# KiCad board oresat-live-card.kicad_pcb (continued)
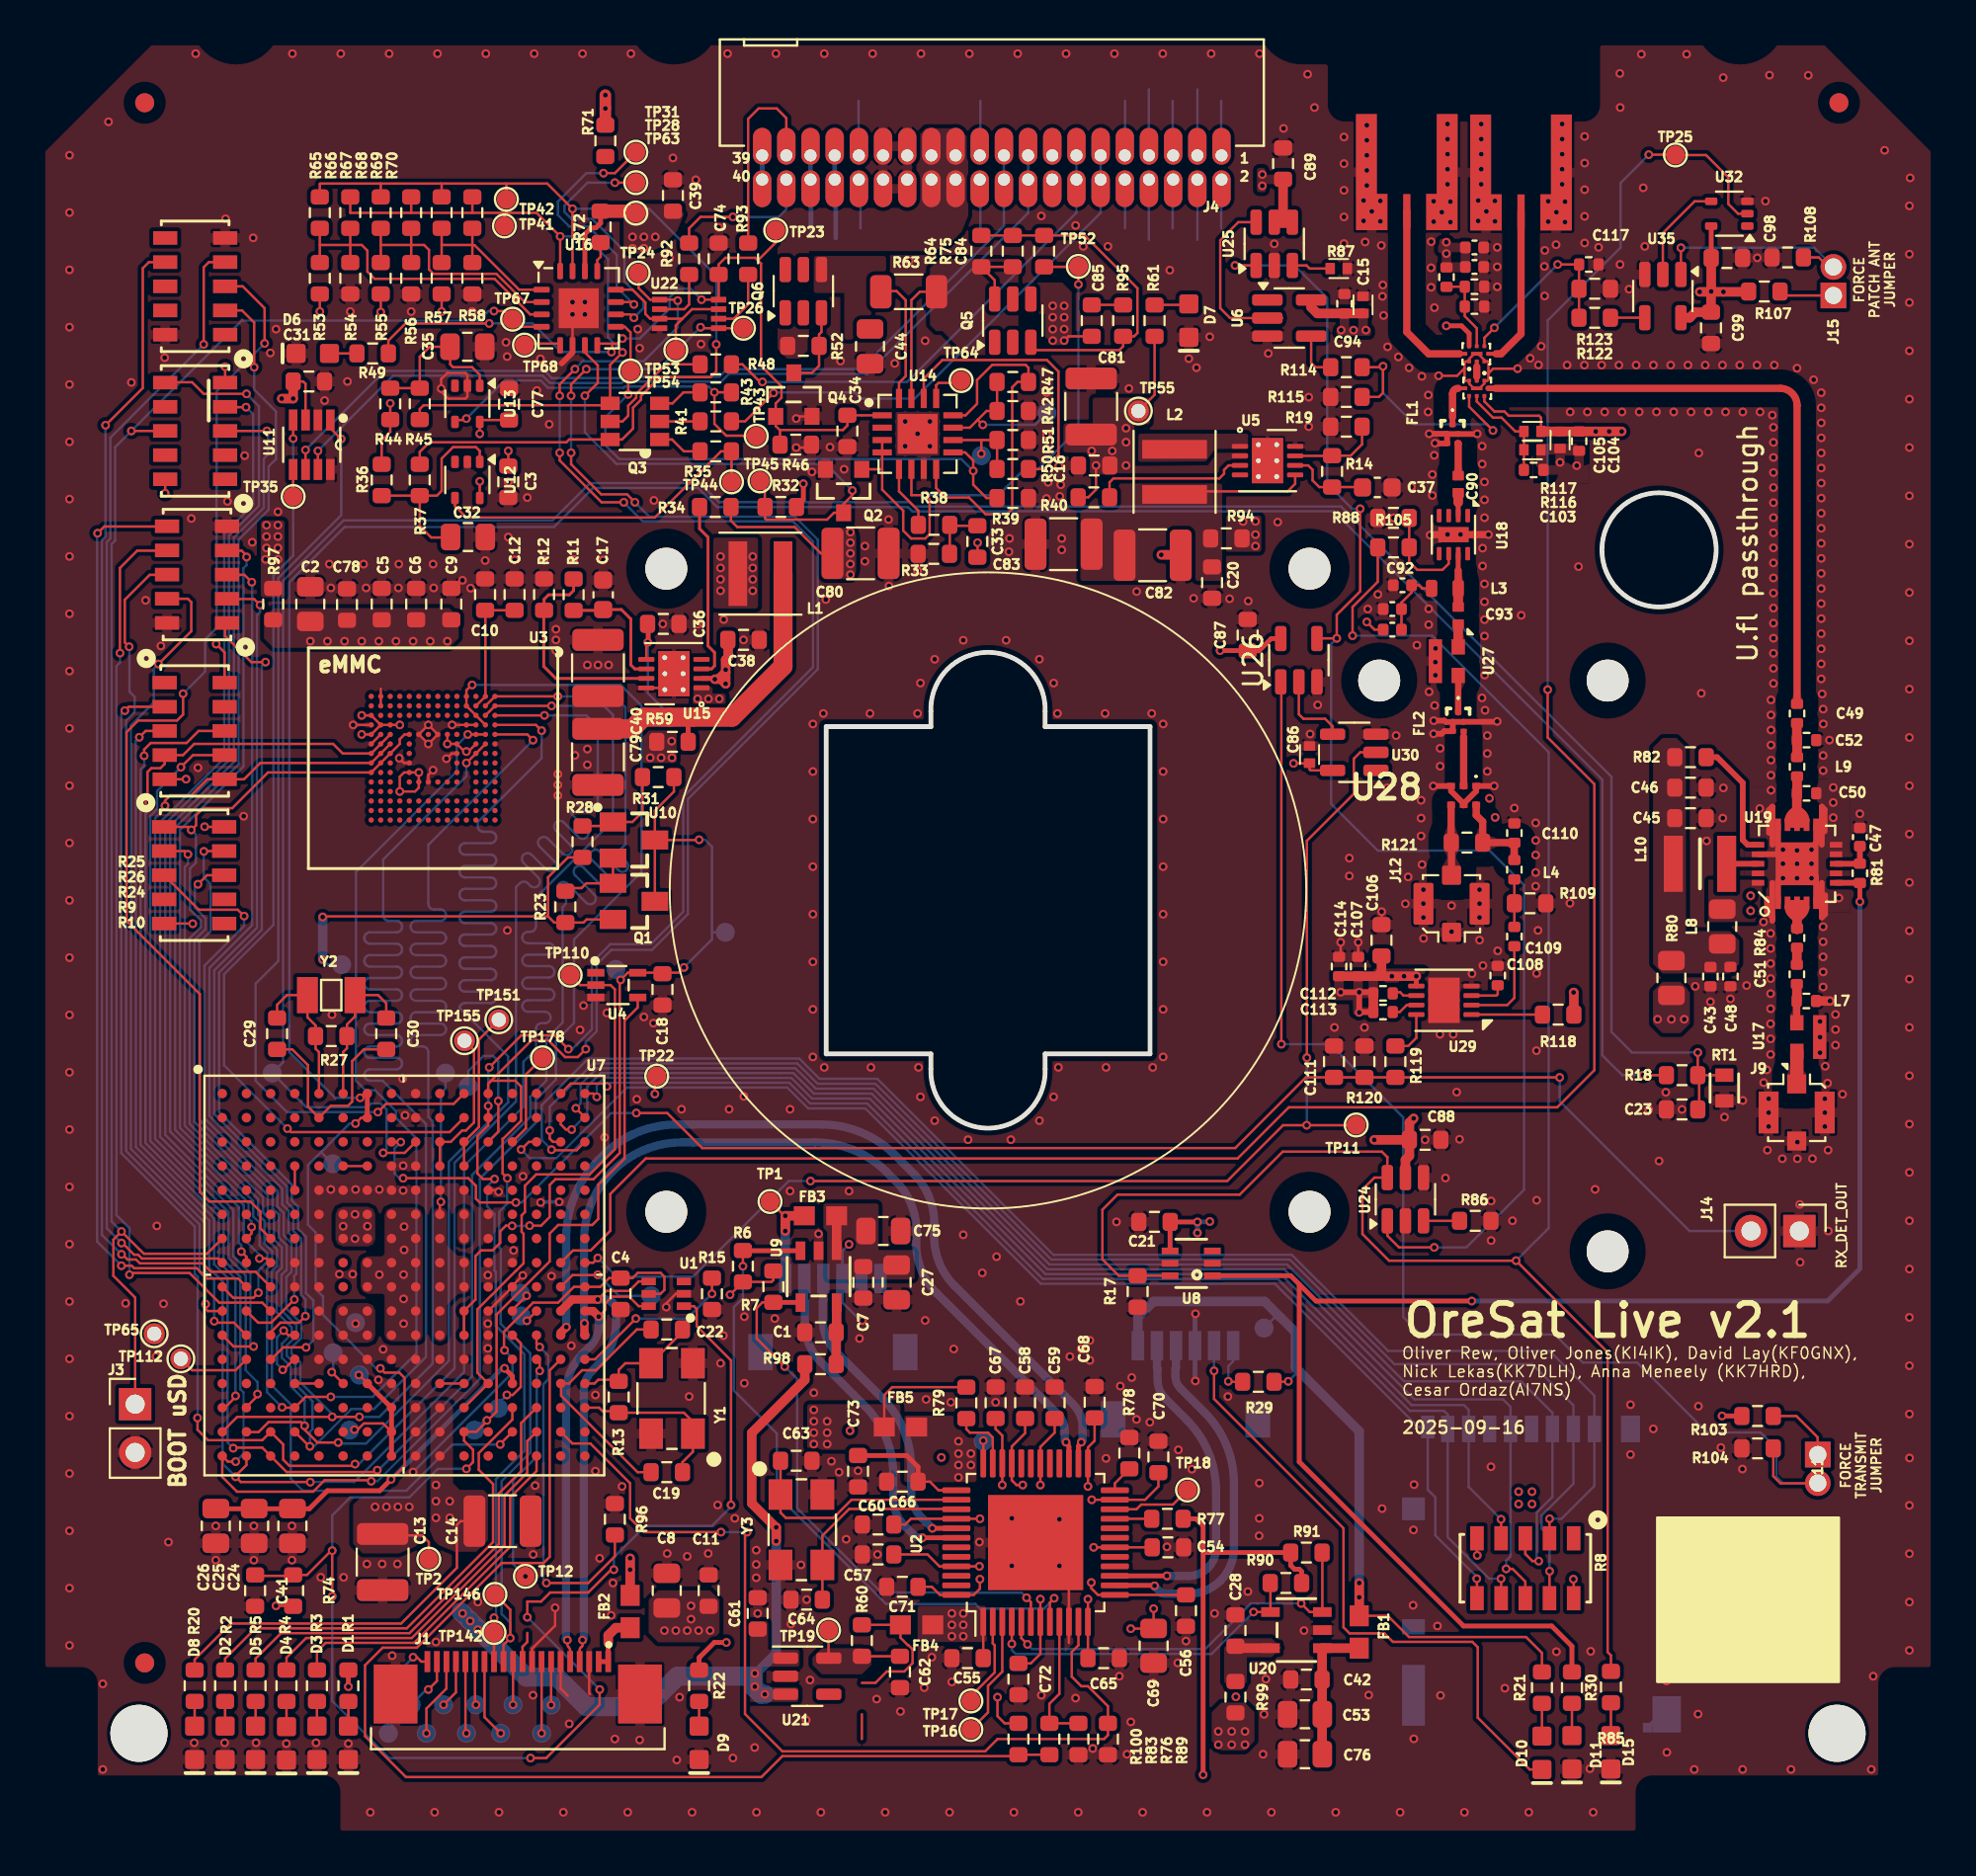
[diagram p0: board, top side]
## Routing (per net, layer and track width the routed paths; a pad name or vN(x,y) marks a point on that pad's centre or on a via; arc(x,y) is an arc through that point) (continued)
  Top w0.3: 93.1,50.8 93.4,50.5 U19.5 ; FL2.2 FL2.3 73.86,58.17 73.73,58.03 v1(73.31,58.03) ; FL2.2 74.3,58.65 73.95,58.65 73.88,58.72 v1(73.32,58.72) ; FL2.2 74.32,58.66 74.88,58.66 FL2.5 76.63,58.66 v1(76.65,58.68) ; v1(73.38,73.31) 73.58,73.31 73.59,73.29 FL1.3 FL1.2 ; 90.85,49.35 90.82,49.33 90.82,48.68 91.1,48.4 91.1,48.28 ; 74.89,54.3 74.89,54.36 74.23,55.02 U28.3 73.29,55.29 v1(73.29,55.29) ; v1(73.07,73.8) 74,73.8 FL1.2 ; 91.11,52.2 91.11,54.2 91.1,54.2 90.92,54.03 90.92,52.83 ; 91.1,48.28 91.1,48.2 ; 91.1,48.28 91.1,50.2 ; 91.6,50.5 91.4,50.3 U19.1 ; FL1.2 FL1.5 75.59,73.79 v1(75.6,73.8) ; 91.6,51.7 91.4,51.9 U19.15 ; U19.17 91.8,51.7 92.1,51.4 ; v1(76.49,55.29) 76.49,55.29 U28.1 75.55,55.02 74.89,54.36 74.89,54.26 ; U19.11 93.4,52.3 93.1,52 ; 28.07,78.07 27.5,77.5 ; 93.87,49.55 93.87,48.55 93.7,48.38 93.7,50.2 ; 93.85,52.9 93.85,54.05 93.7,54.2 93.7,54.2 93.7,52.2
  Top w0.38: v1(76.19,68.5) U18.9 73.15,68.5 v1(73.12,68.47)
  Top w0.5: C82.2 60,67.44 v1(59,67.44) ; L7.1 v1(94.13,43.99)
  In2.Cu w0.127: v1(28.07,80.07) v1(28.72,80.07) ; v1(28.07,80.07) v1(28.07,80.72) ; v1(28.07,80.07) v1(28.72,80.72) ; v1(28.72,80.07) v1(28.72,80.72) ; v1(28.72,80.07) v1(28.07,80.72) ; v1(28.72,80.72) v1(28.07,80.72)
  Bottom w0.127: v1(43.3,27.2) 43.2,27.2 42.25,28.15 J10.3 42.25,30.85 v1(42.6,31.2)
  Bottom w0.2: v1(26.4,33.4) 26.43,33.43 v1(27.38,33.43)
  Bottom w0.25: v1(60.8,27.55) 60.78,27.52 60.78,24.09 60.79,24.08 v1(60.79,24.02)
  vias: v1(1.65,88.44) v1(1.65,85.43) v1(1.65,82.42) v1(1.65,79.4) v1(1.65,76.39) v1(1.65,73.38) v1(1.65,70.37) v1(1.65,67.35) v1(1.65,64.34) v1(1.65,61.33) v1(1.65,58.32) v1(1.65,55.3) v1(1.65,52.29) v1(1.65,49.28) v1(1.65,46.27) v1(1.65,43.26) v1(1.65,40.24) v1(1.65,37.23) v1(1.65,34.22) v1(1.65,31.21) v1(1.65,28.19) v1(1.65,25.18) v1(1.65,22.17) v1(1.65,19.16) v1(1.65,16.14) v1(1.65,13.13) v1(1.65,10.12) v1(3.4,8.1) v1(3.4,3.6) v1(3.7,90.2) v1(4.6,28.1) v1(4.9,76.5) v1(5.65,65.05) v1(6.24,32.17) v1(6.2,25.3) v1(6.45,62.65) v1(6.65,77.8) v1(6.59,28.08) v1(6.85,15.55) v1(8.05,69.35) v1(8.2,5) v1(8.28,93.78) v1(8.4,56.25) v1(9.33,16.4) v1(9.33,14.6) v1(9.85,85.1) v1(9.8,5) v1(9.95,70.25) v1(10.85,72.65) v1(10.8,53.7) v1(11.3,84.1) v1(11.25,68.1) v1(11.33,16.4) v1(11.33,14.6) v1(11.45,5) v1(12.2,78.05) v1(12.5,79.3) v1(12.6,69.7) v1(13.04,4.96) v1(13.33,16.4) v1(13.33,14.6) v1(13.36,93.78) v1(14.6,5) v1(14.85,13.7) v1(15.05,75.55) v1(15.3,66.95) v1(15.38,65.7) v1(15.44,43.27) v1(15.38,34.08) v1(15.83,29.63) v1(15.9,93.78) v1(16.05,13.7) v1(16.25,76.55) v1(16.3,4.96) v1(16.4,80.22) v1(16.53,29.63) v1(16.68,34.08) v1(17.1,66.95) v1(17.23,65.7) v1(17.27,14.4) v1(17.45,1.35) v1(17.93,34.08) v1(17.88,24.08) v1(18.13,25.68) v1(18.07,14.4) v1(18.44,93.78) v1(18.6,9.58) v1(18.95,66.95) v1(18.93,65.7) v1(18.88,14.4) v1(19.15,39.91) v1(19.18,35.33) v1(19.18,34.03) v1(19.28,37.98) v1(19.6,80.22) v1(20.75,66.95) v1(20.78,65.7) v1(20.83,1.35) v1(20.9,10.3) v1(20.98,93.78) v1(22.29,66.1) v1(22.72,65.69) v1(22.8,80.22) v1(23.1,12.4) v1(23.52,93.78) v1(23.49,67.14) v1(23.63,29.58) v1(23.63,27.03) v1(23.63,25.73) v1(24.21,1.35) v1(24.58,78.61) v1(24.64,77.86) v1(24.65,47.7) v1(24.7,71.27) v1(24.7,68.37) v1(25.04,67.17) v1(24.98,30.88) v1(25.47,34.77) v1(25.7,70.45) v1(26.01,14.9) v1(26,7.5) v1(26.06,93.78) v1(26.11,18.52) v1(26.2,76.07) v1(26.39,77.74) v1(26.59,67.17) v1(26.85,74.3) v1(26.97,29.53) v1(27.2,63.53) v1(27.2,62.97) v1(27.2,62.41) v1(27.3,55.91) v1(27.3,55.35) v1(27.3,54.79) v1(27.59,1.35) v1(27.9,6) v1(28.01,25.87) v1(28.13,67.19) v1(28.2,56.9) v1(28.47,42.47) v1(28.6,93.78) v1(28.65,43.75) v1(28.85,61.65) v1(28.85,57.23) v1(28.85,56.4) v1(29.28,23.28) v1(29.28,19.28) v1(29.41,61.65) v1(29.5,14.7) v1(29.68,67.17) v1(29.76,36.82) v1(29.88,43.36) v1(29.97,61.65) v1(30.1,11.7) v1(30.2,13.4) v1(30.3,5.2) v1(30.68,18.48) v1(30.97,1.35) v1(31.14,93.78) v1(31.45,38.82) v1(31.5,79.3) v1(31.6,78.3) v1(31.6,5.15) v1(31.7,16.9) v1(31.82,43.15) v1(32.32,42.82) v1(32.35,70.3) v1(32.82,63.81) v1(33.05,14.95) v1(33.17,83.04) v1(33.35,88.3) v1(33.55,4.1) v1(33.7,7.4) v1(33.8,38.3) v1(34.1,14.8) v1(34.2,23.2) v1(34.36,1.35) v1(34.55,87.15) v1(34.65,63.8) v1(34.82,78.51) v1(35.2,14.95) v1(35.7,17.5) v1(35.75,84.65) v1(35.85,24.95) v1(36.02,64.04) v1(36,26.4) v1(36.22,93.78) v1(36.3,38.3) v1(36.5,4.2) v1(36.6,16.8) v1(37.06,62.97) v1(37.07,38.97) v1(37.1,27.4) v1(37.1,23.9) v1(37.64,4.75) v1(37.72,15.12) v1(37.72,14.38) v1(37.72,13.67) v1(37.74,1.35) v1(37.8,11.8) v1(38.7,27.3) v1(38.76,93.78) v1(39.5,38.3) v1(39.5,34) v1(39.55,11.25) v1(39.83,74.6) v1(40.07,14.35) v1(40.38,12.52) v1(40.35,6.2) v1(40.55,8.3) v1(40.65,71.8) v1(40.7,58.55) v1(40.7,56.05) v1(40.7,53.55) v1(40.7,51.05) v1(40.7,48.55) v1(40.7,46.05) v1(40.7,43.55) v1(40.7,41.05) v1(40.75,23.4) v1(41,31.75) v1(41.12,1.35) v1(41.3,93.78) v1(41.25,59.1) v1(41.3,40.5) v1(41.38,65.09) v1(41.6,73.1) v1(41.67,19.8) v1(42.07,19.22) v1(42.15,77.63) v1(42.34,71.94) v1(42.45,15.7) v1(42.6,34) v1(42.65,21.4) v1(43.07,19.3) v1(43.15,26.25) v1(43.43,67.9) v1(43.43,67.1) v1(43.7,59.1) v1(43.84,93.78) v1(43.75,40.5) v1(44.05,7.3) v1(44.1,14.9) v1(44.5,1.35) v1(44.68,69.29) v1(44.7,65.8) v1(45,77.5) v1(45.3,6.65) v1(45.55,74.45) v1(45.55,73.15) v1(45.76,82.89) v1(46.2,73.8) v1(46.2,66.6) v1(46.2,59.1) v1(46.25,40.5) v1(46.38,93.78) v1(46.35,60.7) v1(46.35,38.95) v1(46.55,7.9) v1(46.6,78.69) v1(46.6,27.2) v1(46.65,23.05) v1(46.85,74.45) v1(46.85,73.15) v1(46.95,9.5) v1(47.1,61.95) v1(47.1,37.7) v1(47.45,20) v1(47.95,22.9) v1(47.88,1.35) v1(48,8.2) v1(48.1,25.7) v1(48.6,62.95) v1(48.6,31.7) v1(48.85,36.7) v1(48.92,93.78) v1(49.45,15.55) v1(49.6,29.7) v1(50.3,22.9) v1(50.35,30.55) v1(50.85,62.95) v1(51.03,68.3) v1(51,67.6) v1(51.1,36.7) v1(51.15,16.8) v1(51.15,14.3) v1(51.26,1.35) v1(51.46,93.78) v1(51.6,28.2) v1(52.6,61.95) v1(52.6,37.7) v1(52.7,85.25) v1(52.7,7.5) v1(52.97,75.97) v1(52.97,73.75) v1(52.97,73) v1(52.97,70.4) v1(53.06,71.25) v1(53.35,60.7) v1(53.35,38.95) v1(53.55,59.1) v1(53.62,72.11) v1(53.6,40.5) v1(53.72,71.12) v1(53.67,70.51) v1(53.65,16.75) v1(53.77,68.3) v1(53.77,67.7) v1(54,93.78) v1(54.2,25.3) v1(54.5,84.75) v1(54.5,7.35) v1(54.64,1.35) v1(54.8,25.7) v1(54.9,83.65) v1(55.25,26.15) v1(55.25,25.1) v1(55.4,4.7) v1(56.05,59.1) v1(56.1,40.5) v1(56.1,19.95) v1(56.2,83.65) v1(56.54,93.78) v1(56.65,32.38) v1(56.85,23.75) v1(56.8,8.5) v1(57.2,4.4) v1(57.3,76.18) v1(57.45,24.2) v1(57.4,6.1) v1(57.71,65.51) v1(57.7,22) v1(58.02,1.35) v1(58.4,21.85) v1(58.5,59.1) v1(58.55,40.5) v1(58.58,8.15) v1(59.08,93.78) v1(59.1,58.55) v1(59.1,56.05) v1(59.1,53.55) v1(59.1,51.05) v1(59.1,48.55) v1(59.1,46.05) v1(59.1,43.55) v1(59.1,41.05) v1(59.3,15.3) v1(59.45,82.4) v1(59.9,20.4) v1(59.87,9.2) v1(60.3,10.35) v1(60.45,77.75) v1(60.61,19.38) v1(60.7,65.15) v1(60.85,77.27) v1(61.4,1.35) v1(61.55,78.9) v1(61.62,93.78) v1(61.8,11.8) v1(62.5,23.2) v1(62.59,65.13) v1(63.55,12.95) v1(63.57,65.01) v1(64.14,15.88) v1(64.16,93.78) v1(64.15,18.65) v1(64.15,16.8) v1(64.4,6.5) v1(64.35,4.4) v1(64.5,8.35) v1(64.62,78.02) v1(64.78,1.35) v1(64.94,83.78) v1(65.12,69.16) v1(65.42,89.85) v1(66.5,10.9) v1(66.69,92.7) v1(66.75,75.72) v1(66.75,74.17) v1(66.82,58.02) v1(67.05,90.95) v1(67.22,59.55) v1(68.1,42.6) v1(68.17,1.35) v1(68.6,89.4) v1(68.6,88) v1(68.6,86.6) v1(68.6,85.2) v1(68.6,83.8) v1(68.88,51.5) v1(68.88,50.56) v1(69.63,86.06) v1(69.63,84.99) v1(69.71,83.88) v1(69.67,42.6) v1(69.8,90.02) v1(69.8,89.23) v1(69.8,88.44) v1(69.8,87.64) v1(69.8,86.85) v1(69.85,64.59) v1(69.9,7.51) v1(70.06,85.49) v1(70.38,65.36) v1(70.51,86.04) v1(70.51,84.97) v1(70.56,83.7) v1(70.64,81.62) v1(70.62,81.02) v1(70.6,17.31) v1(70.68,80.02) v1(70.89,78.37) v1(70.87,55.19) v1(71.2,69.38) v1(71.34,57.94) v1(71.46,77.84) v1(71.55,1.35) v1(71.82,49.1) v1(72.02,77.27) v1(71.97,50.51) v1(72.14,71.01) v1(72.23,12.23) v1(72.28,18.57) v1(72.25,16.19) v1(72.27,5.21) v1(72.43,62.69) v1(72.69,76.82) v1(72.65,54.54) v1(72.65,53.6) v1(72.65,52.66) v1(72.7,51.16) v1(72.77,49.84) v1(72.77,49.11) v1(72.77,48.38) v1(72.78,47.28) v1(72.86,36.69) v1(73.03,75.84) v1(73.02,74.95) v1(73.05,64.6) v1(73.05,63.77) v1(73.07,60.24) v1(73.18,83.9) v1(73.17,82.52) v1(73.17,81.5) v1(73.24,71.66) v1(73.24,70.56) v1(73.31,86.02) v1(73.31,84.95) v1(73.34,72.67) v1(73.35,80.43) v1(73.41,62.52) v1(73.4,61.8) v1(73.4,61.11) v1(73.36,59.52) v1(73.51,11.14) v1(73.64,42.24) v1(73.74,85.45) v1(73.65,57.27) v1(73.65,56.33) v1(73.67,7.49) v1(73.93,34.68) v1(74.04,90.08) v1(74.04,89.29) v1(74.04,88.5) v1(74.04,87.71) v1(74.04,86.91) v1(74.04,68.51) v1(74.19,86) v1(74.19,84.93) v1(74.25,49) v1(74.25,47.63) v1(74.34,42.24) v1(74.52,39.2) v1(74.72,68.51) v1(74.67,36.72) v1(74.93,1.35) v1(75.32,45.42) v1(75.65,86.06) v1(75.65,84.99) v1(75.72,49.84) v1(75.72,49.11) v1(75.72,48.38) v1(75.72,47.19) v1(75.81,90.08) v1(75.81,89.29) v1(75.81,88.5) v1(75.81,87.71) v1(75.81,86.91) v1(75.85,59.92) v1(75.86,73.15) v1(75.86,72.21) v1(75.88,67.79) v1(75.88,66.85) v1(75.9,45.85) v1(75.98,71.27) v1(75.98,70.33) v1(75.98,69.39) v1(75.98,65.91) v1(75.98,64.97) v1(75.98,64.03) v1(75.98,63.17) v1(75.99,61.12) v1(76.01,59.27) v1(76.08,85.49) v1(76.13,57.94) v1(76.13,57) v1(76.13,56.06) v1(76.24,54.64) v1(76.33,33.48) v1(76.33,31.4) v1(76.32,19.51) v1(76.53,86.04) v1(76.53,84.97) v1(76.54,53.64) v1(76.65,83.6) v1(76.65,82.57) v1(76.65,81.52) v1(76.67,46.62) v1(77.05,7.87) v1(77.45,32.44) v1(77.55,54.13) v1(77.91,64.26) v1(78.31,1.35) v1(78.38,77.77) v1(78.67,53.35) v1(78.67,52.43) v1(78.67,51.66) v1(78.67,50.74) v1(78.67,50.02) v1(78.72,45.44) v1(78.71,41.38) v1(78.72,33.52) v1(78.82,77.42) v1(78.79,47.7) v1(78.96,78.4) v1(79.13,82.6) v1(79.14,81.04) v1(79.15,83.44) v1(79.33,86.02) v1(79.33,84.95) v1(79.74,83.74) v1(79.76,85.45) v1(79.76,9.79) v1(79.95,72.3) v1(80.06,90.08) v1(80.06,89.29) v1(80.06,88.5) v1(80.06,87.71) v1(80.06,86.91) v1(80.21,86) v1(80.21,84.93) v1(80.32,77.41) v1(80.48,74.95) v1(80.47,49.13) v1(80.82,72.12) v1(80.92,66.82) v1(81.24,89.43) v1(81.24,88.03) v1(81.24,86.63) v1(81.24,85.23) v1(81.24,83.83) v1(81.23,77.41) v1(81.39,74.95) v1(81.52,3.64) v1(81.56,9.81) v1(81.69,1.35) v1(81.79,34.09) v1(81.97,83.6) v1(82.13,77.41) v1(82.29,74.95) v1(83.04,77.41) v1(83.09,92.74) v1(83.11,90.95) v1(83.1,82.7) v1(83.2,74.95) v1(83.57,81.4) v1(83.65,22.77) v1(83.65,20.15) v1(83.95,77.41) v1(84.11,74.95) v1(84.22,93.75) v1(84.32,86.73) v1(84.4,83.65) v1(84.61,38.29) v1(84.85,21.5) v1(84.85,77.41) v1(85.01,74.95) v1(85.15,35.58) v1(85.51,39.19) v1(85.54,8.25) v1(85.56,4.5) v1(85.76,77.41) v1(85.92,74.95) v1(86.36,38.29) v1(86.6,93.75) v1(86.67,77.41) v1(86.83,74.95) v1(87.05,44.76) v1(87,3.6) v1(87.24,72.79) v1(87.22,22.69) v1(87.2,6.51) v1(87.37,60.16) v1(87.58,77.41) v1(87.65,52.4) v1(87.74,74.95) v1(87.85,43.95) v1(88.4,20.52) v1(88.52,92.52) v1(88.48,77.41) v1(88.53,55.19) v1(88.5,53.6) v1(88.64,74.95) v1(88.59,37.89) v1(88.9,44.1) v1(89.39,77.41) v1(89.55,74.95) v1(89.55,38.76) v1(89.53,19.39) v1(89.54,3.6) v1(89.75,44.8) v1(89.96,49.52) v1(89.96,48.73) v1(90.31,83.05) v1(90.3,77.41) v1(90.44,54.1) v1(90.46,74.95) v1(90.64,48.14) v1(90.74,86.03) v1(90.65,39.7) v1(90.81,40.37) v1(90.84,36.15) v1(90.95,92.65) v1(90.91,38.85) v1(90.91,38.12) v1(90.91,37.39) v1(91.03,59.81) v1(91.03,59.02) v1(91.03,58.23) v1(91.03,57.44) v1(91.03,56.65) v1(91.03,55.86) v1(91.03,55.06) v1(91.01,47.54) v1(91.01,46.75) v1(91.01,45.96) v1(91.01,45.17) v1(91.01,44.37) v1(91.01,43.58) v1(91.01,42.79) v1(91.01,42) v1(91.01,41.18) v1(91.1,74.78) v1(91.2,77.41) v1(91.16,74.14) v1(91.16,73.35) v1(91.16,72.56) v1(91.16,71.76) v1(91.16,70.97) v1(91.16,70.18) v1(91.16,69.39) v1(91.16,68.6) v1(91.16,67.81) v1(91.16,67.01) v1(91.16,66.22) v1(91.16,65.43) v1(91.16,64.64) v1(91.16,63.85) v1(91.16,63.06) v1(91.16,62.26) v1(91.16,61.47) v1(91.16,60.68) v1(91.63,35.7) v1(91.66,51.94) v1(91.66,51.2) v1(91.66,50.44) v1(92.08,3.6) v1(92.4,77.25) v1(92.4,51.9) v1(92.4,51.2) v1(92.4,50.44) v1(92.42,36.57) v1(92.42,35.7) v1(92.54,33.3) v1(92.56,30.26) v1(92.99,92.64) v1(93.16,51.94) v1(93.16,51.2) v1(93.16,50.44) v1(93.21,35.7) v1(93.27,76.64) v1(93.61,42.91) v1(93.61,42.09) v1(93.61,41.27) v1(93.67,75.96) v1(93.67,75.17) v1(93.67,74.38) v1(93.67,73.58) v1(93.67,72.79) v1(93.67,72) v1(93.67,71.21) v1(93.67,70.42) v1(93.67,69.63) v1(93.67,68.83) v1(93.67,68.04) v1(93.67,67.25) v1(93.67,66.46) v1(93.67,65.67) v1(93.67,64.88) v1(93.67,64.08) v1(93.67,63.29) v1(93.67,62.5) v1(93.67,61.71) v1(93.67,60.92) v1(93.72,60.13) v1(93.77,59.33) v1(93.78,58.55) v1(93.77,56.89) v1(93.77,56.1) v1(93.77,47.89) v1(93.77,47.1) v1(93.77,46.31) v1(93.77,45.52) v1(93.77,44.72) v1(93.88,40.56) v1(93.86,38.85) v1(93.86,38.12) v1(93.86,37.39) v1(94,39.67) v1(94.03,36.15) v1(94.04,31.9) v1(94.1,57.7) v1(94.3,55.21) v1(94.3,54.42) v1(94.3,53.63) v1(94.42,43.28) v1(94.42,42.49) v1(94.42,41.67) v1(94.6,49.4) v1(94.79,39.09) v1(95.7,53.83) v1(96.3,3.6) v1(96.4,8.5) v1(97,88.7) v1(98.34,87.25) v1(98.3,85.78) v1(98.3,83.24) v1(98.3,80.7) v1(98.3,78.16) v1(98.3,75.62) v1(98.3,73.08) v1(98.3,70.54) v1(98.3,68) v1(98.3,65.46) v1(98.3,62.92) v1(98.3,60.38) v1(98.3,57.84) v1(98.3,55.3) v1(98.3,52.76) v1(98.3,50.22) v1(98.3,47.68) v1(98.3,45.14) v1(98.3,42.6) v1(98.3,40.06) v1(98.3,37.52) v1(98.3,34.98) v1(98.3,32.44) v1(98.3,29.9) v1(98.3,27.36) v1(98.3,24.82) v1(98.3,22.28) v1(98.31,19.97) v1(98.3,17.48) v1(98.3,14.94) v1(98.3,12.4) v1(98.3,9.86)
VBUSP: length 29
  Top w0.127: R40.2 55.17,70.46 55.57,70.87 v1(55.57,72.13) ; v1(53.9,78.7) 54.12,78.92 C85.1 ; 53.92,79.95 v1(53.9,79.92) ; 56.42,72.11 56.45,72.13 ; R61.2 58.65,75.85 TP55.1 ; R34.2 36.4,69.23 36.73,68.9 39.74,68.9 41.12,67.52 C80.1 ; C33.2 49.35,67.33 v1(49.35,68.08) ; 51.2,82.57 49.55,82.57 50.25,81.87 Q5.6
  Top w0.25: 36.12,60.96 36.1,60.94 U15.2
  Top w0.5: 36.12,61.27 35.81,60.96 v1(36.12,60.66) 36.12,61.27 ; 36.12,61.27 36.12,61.92 36.25,62.05 36.25,62.95 C38.1 ; v1(35.55,60.9) 35.96,60.92
  In2.Cu w0.5: v1(42.67,66.96) v1(42.67,66.4) 42.67,63.77 41.67,62.77
  vias: v1(36.12,61.4) v1(42.67,68.63) v1(42.67,68.08) v1(42.67,67.52) v1(53.3,80.52) v1(53.3,79.92) v1(53.3,79.3) v1(53.3,78.7) v1(53.9,80.52) v1(53.9,79.3) v1(55.35,72.9) v1(56.42,72.9) v1(57.15,74.09) v1(57.15,73.36) v1(57.15,72.13)
VIN_USB: length 51.8
  Top w0.127: U1.5 32.7,28.6 32.9,28.8 32.9,29.5 32.7,29.7 31.5,29.7 31.22,29.42 30,29.42 29.53,28.96 U7.J16 28.15,28.96 27.32,28.14 26,28.14 24.47,26.61 24.47,25.66 v1(24.5,25.63) ; 18.1,15.9 20.17,15.9 20.52,15.55 TP2.1
  Top w0.5: v1(31.1,14.7) v1(31.1,14.1) FB2.2
  In2.Cu w1: 18.6,17.4 20.07,15.93 20.07,12.43 23.8,8.7 29.9,8.7 31.1,9.9 v1(31.1,14.1) v1(31.1,14.7) ; v1(17.7,17.4) v1(19.5,17.4)
  Bottom w0.127: v1(19.7,19.23) 24.92,24.45 24.92,25.21 v1(24.5,25.63)
  vias: v1(18.3,17.4) v1(18.9,17.4)
(no net): length 10.8
  Top w0.127: 43.28,5.2 43.28,6.5
  Bottom w0.25: 41.9,84.1 41.9,87.11 41.85,87.16 41.85,88.43 ; 40.6,84.6 40.6,87.14 40.58,87.16 40.58,88.43 ; 38.04,87.16 38.04,88.43
/Power + OPD/AD0: length 9.6
  Top w0.127: R57.1 21.2,83.72 ; 21.2,83.72 22.8,83.72 22.81,83.71 ; 21.2,83.72 R69.2 ; 26.22,81.42 26.17,81.37 25.27,81.37 22.93,83.71 22.81,83.71 ; 22.81,83.71 R70.1 ; 22.81,83.71 R58.2
/Power + OPD/AD1: length 13.7
  Top w0.127: 26.22,80.77 26.17,80.72 25.56,80.72 24.07,82.21 20.76,82.21 20.53,82.44 20.53,83.47 20.27,83.72 19.6,83.72 ; 19.6,83.72 R68.1 ; 19.6,83.72 R56.2 ; 19.6,83.72 18,83.72 ; 18,83.72 R55.1 ; 18,83.72 R67.2
/Power + OPD/AD2: length 17.2
  Top w0.127: 26.22,80.12 26.17,80.07 25.85,80.07 23.98,81.95 17.68,81.95 17.3,82.32 17.3,83.42 17,83.72 16.4,83.72 ; 16.4,83.72 R66.1 ; 16.4,83.72 R54.2 ; 16.4,83.72 14.8,83.72 ; 14.8,83.72 R65.2 ; 14.8,83.72 R53.1
/Power + OPD/CB-RESET: length 31.4
  Top w0.127: v1(31,75.87) 31,76.97 TP54.1 31.12,77.1 31.12,79.13 30.82,79.42 30.26,79.42 ; U14.9 48.7,72.82 49.12,72.4 49.12,72.4 49.12,71.12 49.82,70.42 R39.2
  Bottom w0.127: v1(31,75.87) 29.8,74.67 29.8,73.2 30.53,72.47 48.5,72.47 v1(49.12,71.85)
/Power + OPD/CB_CTRL: length 32
  Top w0.127: U14.6 45.88,70.58 46.6,70.58 v1(46.6,70.57) 46.83,70.34 46.83,68.52 46.6,68.3 45.86,68.3 45.45,68.71 45.45,69.76 44.34,70.86 44.34,71.92 ; R75.1 54.62,82.57 TP52.1 v1(54.65,81.65) ; 44.34,71.92 U14.4 U14.3 ; 44.34,71.92 44.32,71.94 Q2.1
  Bottom w0.127: v1(46.6,70.57) 50.45,70.57 51.8,71.92 52.52,71.92 54.65,74.06 v1(54.65,81.65)
/Power + OPD/ON/~{OFF}: length 44.7
  Top w0.127: v1(34.85,80.85) U22.8 C74.1 35.75,82.7 36.1,83.05 37.67,83.05 37.81,82.91 ; 37.81,82.91 37.97,82.75 37.97,77.37 39.05,76.3 39.05,75.7 38.75,75.4 Q4.1 38.75,74.21 38.96,73.99 38.97,74 42.28,74 42.51,74.24 C34.1 43.28,74.77 43.28,74.77 U14.1 ; 37.81,82.91 38.75,83.85 TP23.1 ; v1(30.7,78.81) 30.43,78.54 30.16,78.54 ; 30.16,78.54 29.38,78.54 ; 30.16,78.54 30.16,78.14 v1(30.12,78.1) ; R49.2 18.4,78.7 19.3,79.6 v1(23.7,79.6) ; 38.97,73.07 38.97,73.99
  Bottom w0.127: v1(23.7,79.6) 25.97,79.6 27.48,78.1 v1(30.12,78.1) ; v1(34.85,80.85) 34.28,81.42 33.63,81.42 33.18,80.97 33.18,80.38 31.61,78.81 v1(30.7,78.81)
/Power + OPD/PEN-SCL-FILT: length 52.9
  Top w0.127: v1(35.62,78.5) 35.62,77.07 35.32,76.77 32.66,76.77 31.67,75.79 31.67,75.59 31.25,75.17 31.25,74.08 30.68,73.5 Q3.6 27.9,73.5 27.75,73.35 20.55,73.35 20.05,72.85 R37.2 ; 28.07,82.26 v1(28.07,85.62) 26.75,86.95 24.57,86.95 ; 21.17,86.95 17.97,86.95 ; 21.17,86.95 24.57,86.95 ; 21.17,86.95 21.2,86.92 R69.1 ; 17.97,86.95 14.82,86.95 14.8,86.92 R65.1 ; 17.97,86.95 18,86.92 R67.1 ; 24.57,86.95 24.6,86.92 TP42.1
  Bottom w0.127: v1(28.07,85.62) 32.1,85.62 35.62,82.1 v1(35.62,78.5)
/Power + OPD/PEN-SDA-FILT: length 38.4
  Top w0.127: v1(30.7,78.07) 30.05,77.42 Q3.4 29.95,75.3 20.25,75.3 20.05,75.1 R45.2 ; R66.2 16.4,85.42 16.41,85.41 19.59,85.41 ; 19.59,85.41 19.6,85.42 R68.2 ; 19.59,85.41 22.79,85.41 ; 27.42,82.26 v1(27.42,84.17) 26.19,85.41 22.79,85.41 ; 22.79,85.41 22.81,85.44 R70.2 ; TP41.1 24.5,85.32
  Bottom w0.127: v1(27.42,84.17) 28.74,84.17 29.94,82.98 29.94,78.87 30.7,78.11 v1(30.7,78.07)
/Power + OPD/POUT: length 1.5
  Top w0.127: U14.13 47.18,76.35 47.17,76.35 47.3,76.47 47.97,76.47
/Power + OPD/UART_EN: length 8.5
  Top w0.127: 33.85,79.85 34.35,80.35 U22.7 ; 33.85,79.85 U22.3 32.15,79.85 31.9,80.1 31.9,80.7 31.22,81.37 30.26,81.37 ; 33.85,79.85 33.5,79.5 TP53.1
/Power + OPD/~{FAULT}: length 28
  Top w0.127: v1(28.72,75.8) 29.4,76.47 29.4,77.4 28.72,78.07 28.72,78.54 ; TP45.1 38.18,71.07 38.18,69.97 R32.1 38.19,69.36 38.26,69.29 41.45,69.29 41.81,69.65 Q2.3 42.32,70.12 42.78,70.57
  Bottom w0.127: v1(42.77,70.82) 42.77,70.83 41.38,72.22 30.38,72.22 28.72,73.87 v1(28.72,75.8)
/SIP A: Power/PMIC_PGOOD: length 30.1
  Top w0.127: 22.38,22.61 U7.N12 23.08,24.45 23.08,27.78 23.82,28.52 23.83,28.52 24.09,28.78 24.09,28.79 25.09,29.79 25.1,29.79 25.5,30.2 25.5,31.76 25.4,31.86 25.4,32.72 25.57,32.9 25.57,34.28 26.17,34.87 28.97,34.87 30.3,36.2 30.3,44.6 30.07,44.82 28.47,44.82 TP110.1
/SIP B: USB + Crystals/Camera_USB_N: length 17.7
  Top w0.25: v1(46.45,15.77) U2.42
  Bottom w0.432: J10.5 40.25,28.27 arc(40.25,28.25) 40.27,28.23 arc(40.28,28.21) 40.28,28.19 40.28,27.03 arc(40.5,25.95) 41.11,25.02 43.43,22.7 arc(44.53,21.05) 44.92,19.11 44.92,17.86 arc(45.08,17.06) 45.53,16.39 46.04,15.88 arc(46.16,15.8) 46.3,15.77 v1(46.45,15.77)
/SIP B: USB + Crystals/Camera_USB_P: length 16.4
  Top w0.25: v1(46.97,16.27) U2.41
  Bottom w0.432: J10.4 41.25,28.27 arc(41.25,28.25) 41.23,28.23 arc(41.22,28.21) 41.22,28.19 41.22,27.23 arc(41.4,26.32) 41.92,25.55 44.37,23.09 arc(45.47,21.44) 45.86,19.5 45.86,18.18 arc(46.01,17.45) 46.42,16.83 v1(46.97,16.27)
/SIP B: USB + Crystals/Camera_Vusb: length 6.2
  Top w0.127: TP1.1 39.2,32.7 v1(39.25,32.7)
  Top w0.5: v1(39.25,31.9) v1(39.25,32.7) FB3.2
  Bottom w0.5: v1(39.25,32.7) v1(39.25,31.9) J10.6
/SIP B: USB + Crystals/OSC0_GND: length 13
  Top w0.127: C19.1 31.49,19.22 27.48,23.24 27.48,23.86 27.45,23.88 27.88,23.88 28.58,24.58 29.31,24.58 31.45,26.72 C22.1
/SIP B: USB + Crystals/OSC0_IN: length 8.8
  Top w0.127: C19.2 33.85,19.75 34.4,20.3 Y1.1 34.4,21.88 33.92,22.35 R13.2 ; U7.P16 29.47,22.61 29.65,22.43 30.48,22.43
/SIP B: USB + Crystals/OSC0_OUT: length 6.7
  Top w0.127: C22.2 33.85,26.6 Y1.3 30.85,24.95 30.5,24.6 R13.1 ; U7.N16 29.23,23.88 29.43,24.08 30.48,24.08
/SIP B: USB + Crystals/UP_N: length 43.1
  Top w0.25: 54.15,19.71 54.15,20.54 arc(54.13,20.64) 54.07,20.72 v1(54,20.8)
  Top w0.432: v1(28.7,27.05) 28.7,26.45 28.72,26.42
  Bottom w0.432: v1(28.7,27.05) 28.68,27.07 28.68,31.41 arc(29.07,33.38) 30.19,35.05 arc(31.86,36.17) 33.83,36.56 34.41,36.56 40.81,36.56 arc(42.85,36.15) 44.58,35 45.06,34.51 arc(45.86,33.32) 46.14,31.91 46.13,31.23 arc(46.41,29.82) 47.21,28.63 53.56,22.27 arc(53.83,21.87) 53.93,21.39 53.93,20.92 arc(53.94,20.87) 53.97,20.83 v1(54,20.8)
/SIP B: USB + Crystals/UP_P: length 45.6
  Top w0.25: 54.65,20.39 54.65,20.56 arc(54.67,20.64) 54.71,20.71 v1(54.8,20.8)
  Top w0.432: v1(27.75,26.85) 27.45,26.55 27.45,26.42 27.43,26.42
  Bottom w0.432: v1(27.75,26.85) 27.74,26.86 27.74,31.53 arc(28.18,33.75) 29.44,35.64 29.71,35.91 arc(31.48,37.09) 33.56,37.5 34.41,37.5 41.15,37.5 arc(43.23,37.09) 45,35.91 46,34.9 arc(46.8,33.71) 47.08,32.3 47.07,31.62 arc(47.35,30.21) 48.15,29.02 54.37,22.8 arc(54.74,22.24) 54.87,21.58 54.87,20.92 arc(54.86,20.87) 54.83,20.83 v1(54.8,20.8)
/SIP B: USB + Crystals/WIFI_ENABLE: length 2.7
  Top w0.127: v1(62.53,24) 62.55,23.97 R29.2
  Bottom w0.127: v1(62.53,24) 62.53,24.8 62.78,25.05 62.78,25.87
/SIP B: USB + Crystals/WIFI_STATUS: length 33.3
  Top w0.127: D10.1 78.35,3.6 75.62,6.32 75.62,10.02 75.34,10.31 71.17,10.31 70.72,10.75 68.89,10.75 68.57,11.07 68.57,16.27 61.78,23.07 v1(61.78,24.55)
  Bottom w0.127: v1(61.78,24.55) 61.78,25.87
/SIP B: USB + Crystals/Wifi_USB_N: length 17.8
  Top w0.25: v1(59.3,13.77) U2.15
  Bottom w0.432: 58.78,25.86 58.78,24.72 arc(58.78,24.7) 58.79,24.68 arc(58.8,24.67) 58.81,24.65 58.81,24.09 arc(58.91,23.55) 59.22,23.09 60.34,21.97 arc(61.48,20.26) 61.88,18.26 61.88,15.22 arc(61.77,14.67) 61.46,14.19 arc(60.98,13.88) 60.43,13.77 59.31,13.77 arc(59.31,13.77) 59.31,13.77 59.31,13.77 arc(59.3,13.77) 59.3,13.77 v1(59.3,13.77)
/SIP B: USB + Crystals/Wifi_USB_P: length 19.5
  Top w0.25: v1(58.65,13.25) 58.62,13.27 U2.14
  Bottom w0.432: 59.78,25.86 59.78,24.72 arc(59.77,24.7) 59.76,24.68 arc(59.75,24.67) 59.74,24.65 59.74,24.28 arc(59.82,23.92) 60.02,23.62 61.28,22.36 arc(62.42,20.65) 62.82,18.65 62.82,15.22 arc(62.64,14.31) 62.12,13.53 arc(61.34,13.01) 60.43,12.83 59.23,12.83 arc(59.12,12.84) 59.01,12.86 58.65,13.22 v1(58.65,13.25)
/SIP B: USB + Crystals/Wifi_Vusb: length 41.9
  Top w0.127: R29.1 65.65,23.97 v1(65.67,24) ; R21.1 79,9.72 78.17,10.56 72.02,10.56 70.9,11.67 FB1.2
  Top w0.5: FB1.2 v1(69.4,12.65) v1(69.4,13.4)
  Bottom w0.127: v1(65.67,24) 66.15,24.47 66.3,24.47 ; 65.26,27.36 64.96,27.36 TP15.1
  Bottom w0.5: v1(69.4,12.65) v1(69.4,13.4) 69.4,21.38 66.05,24.72 66.05,26.57 64.42,28.2 58.6,28.2 57.78,27.37 57.78,25.86
/WiFi PA/PA_TOGGLE: length 85.8
  Top w0.25: 66.25,29.1 65.8,29.55 U8.1 ; 66.25,29.1 67.13,28.22 v1(75.31,28.22) ; 66.25,29.1 66.25,19.77 74.88,11.14 79.51,11.14 80.57,10.07 R30.1 ; R81.1 v1(95.7,49.21)
  Top w0.3: U19.6 95.7,50.2
  Bottom w0.25: v1(95.7,49.21) 95.7,29.92 94,28.22 v1(75.31,28.22)
ANT_SEL: length 118.2
  Top w0.127: 27.45,30.23 27.46,30.23 28.1,30.87 29.02,30.87 30.06,31.91 30.06,33.85 31.92,35.71 63.01,35.71 65.7,38.4 79.8,38.4 81.75,40.35 81.75,55.39 79.3,57.84 v1(79.3,60.35) ; U32.2 89.3,85.37 88.79,85.88 88.79,87.28 87.62,88.45 86.01,88.45 TP25.1 86,88.47 v1(84.61,88.47)
  Bottom w0.127: v1(84.61,88.47) 83.13,86.99 83.13,83.59 79.3,79.76 v1(79.3,60.35)
C3-UART-Rx: length 7.9
  Top w0.127: v1(36.5,85.2) 34.8,85.2 34.2,84.6 R92.1
  Bottom w0.127: v1(36.5,85.2) 38.9,85.2 39.31,85.61 J4.38
C3-UART-Tx: length 10.9
  Top w0.127: J4.37 39.31,90.39 38.8,90.9 37.85,90.9 37.3,90.35 R93.1
CAN2_H: length 46.8
  Top w0.127: 14.7,71.92 v1(14.7,72.9)
  Bottom w0.127: J4.17 J4.18 52.01,85.41 43.55,76.95 36.29,76.95 35.89,76.54 30.72,76.54 30.65,76.47 26.89,76.47 26.51,76.85 18.65,76.85 v1(14.7,72.9)
CAN2_L: length 46.6
  Top w0.127: 14.05,71.92 v1(14.05,72.95)
  Bottom w0.127: v1(14.05,72.95) 18.21,77.11 26.61,77.11 26.99,76.73 30.55,76.73 30.62,76.8 35.79,76.8 36.19,77.2 43.2,77.2 50.74,84.74 J4.20 J4.19
EEPROM_WP: length 3.9
  Top w0.127: TP112.1 8.1,24.58 10.37,24.58 U7.M2
GRSTz: length 50
  Top w0.127: v1(35.88,16.07) 31.82,16.07 31.1,16.8 31.1,18.64 29.01,20.73 28.07,20.73 27.45,21.34 ; U2.11 54.65,10.12 54.3,9.77 54.3,8.47 54.8,7.97 55.15,7.97 56.2,6.92 R89.2 56.2,5.4 56,5.2 50.4,5.2 49.75,4.55 39.1,4.55 37.13,6.52 37.13,15.96 v1(37.25,16.07)
  Bottom w0.127: v1(37.25,16.07) v1(35.88,16.07)
HELICAL_ANTENNA: length 9.9
  Top w0.2: 74.67,78 74.93,78
  Top w0.38: J6.SIG 71.9,79.15 73.04,78 74.67,78
